# Altium PCB NNP-DWG-165-001-000 BP2 PCB, Unpopulated.PcbDoc (part 3 of 3)
Units mil, origin at the board's own origin, x right, y up, seen from the top; angles counter-clockwise.
Board outline 4165.82 x 2037.39 mil, 4 copper layers (Layer 1, Plated Cu, Layer 2, Cu, Layer 3, Cu, Layer 4, Plated Cu), stack 15.546 mil thick; 177 components, 109 nets, 543 pads, 287 vias.
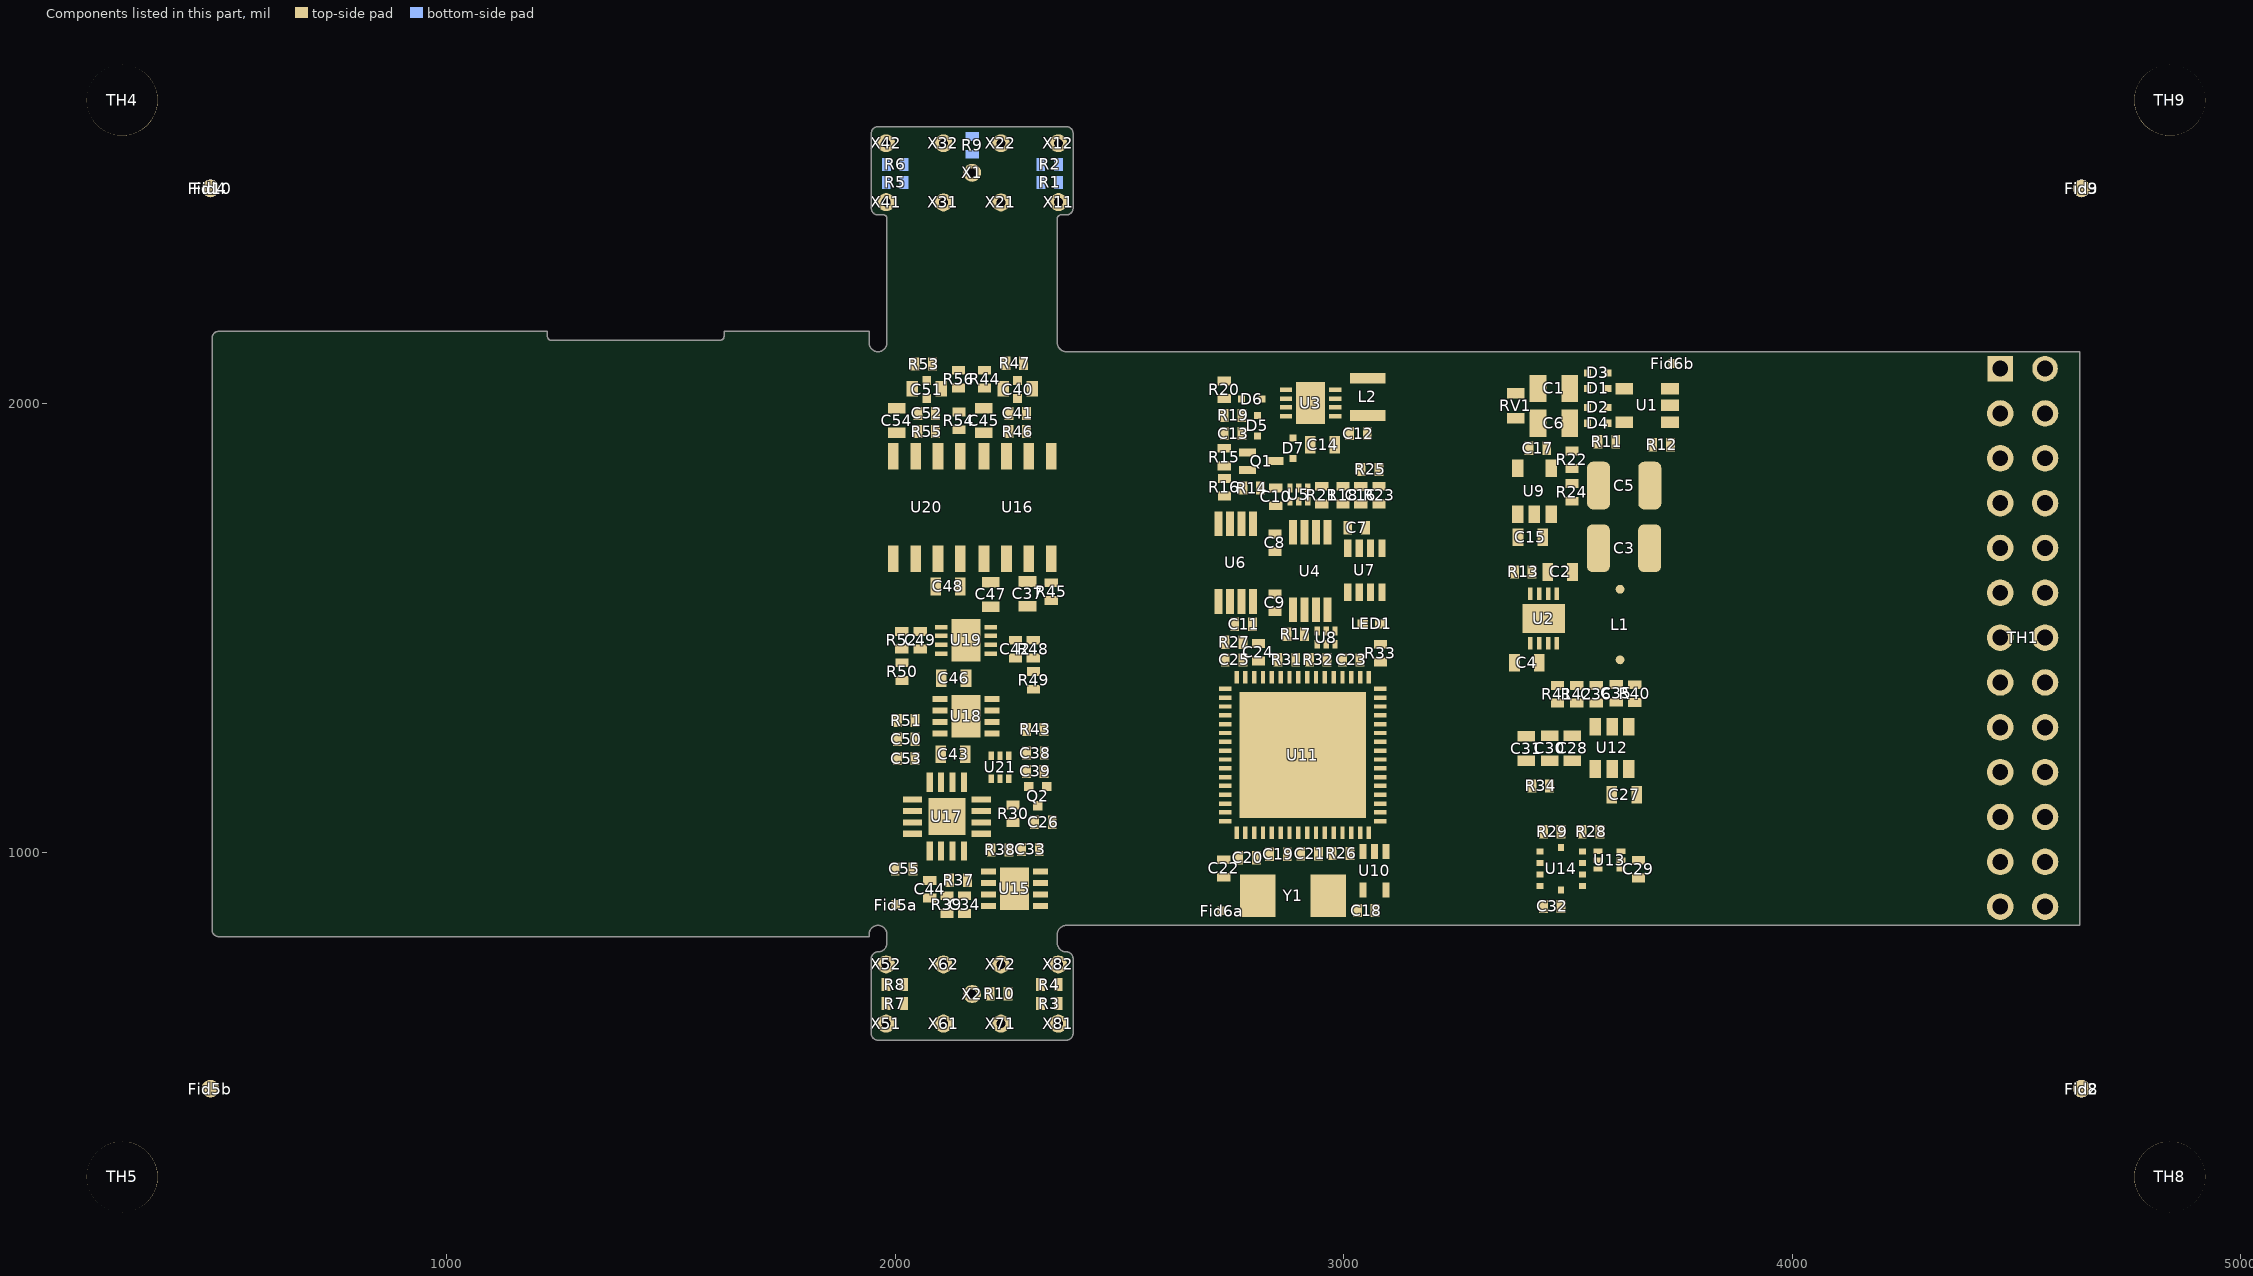
[diagram p5: the components of this part, seen from the top]

## Silkscreen, mask and mechanical layers (free items; w line width, h text height) (continued)
Frame:
  circle w0.98: c275.59,2677.17 r79
  circle w0.98: c275.59,275.59 r79
  circle w0.98: c4842.52,275.59 r79
  circle w0.98: c4842.52,2677.17 r79
  circle w0.98: c1979.32,749.71 r10
  circle w0.98: c2107.32,617.71 r10
  circle w0.98: c2235.32,749.71 r10
  circle w0.98: c2363.32,617.71 r10
  circle w0.98: c2363.32,749.71 r10
  circle w0.98: c2235.32,617.71 r10
  circle w0.98: c2107.32,749.71 r10
  circle w0.98: c1979.32,617.71 r10
  circle w0.98: c2171.32,683.71 r10
  circle w0.98: c2171.39,2515.11 r10
  circle w0.98: c1979.41,2449.1 r10
  circle w0.98: c1979.41,2581.1 r10
  circle w0.98: c2107.41,2581.1 r10
  circle w0.98: c2107.41,2449.1 r10
  circle w0.98: c2235.41,2449.1 r10
  circle w0.98: c2235.41,2581.1 r10
  circle w0.98: c2363.41,2581.1 r10
  circle w0.98: c2363.41,2449.1 r10
  lines w0.01: 1539.14,2240.36 1902.61,2240.36 1902.64,2363.2 ; 1941.32,2136.14 1941.32,2161.62
  lines w0.1: 0,2952.76 0,0 5118.11,0 ; 1964.7,836.61 1964.7,2116.14
  lines w0.98: 0,2952.76 5118.11,2952.76 5118.11,0 ; 397.41,994.1 476.15,994.1 476.15,826.61 ccw(c491.15,826.61) 491.15,811.61 1941.32,811.61 1941.32,816.61 cw(c1961.32,816.61) 1981.32,816.61 1981.32,797.56 cw(c1961.32,797.56) 1961.32,777.56 ; 397.41,1092.52 476.15,1092.52 476.15,1860.24 397.41,1860.24 ; 397.41,1958.66 476.15,1958.66 476.15,2146.62 cw(c491.15,2146.62) 491.15,2161.62 1224.18,2161.62 1224.18,2149.8 ccw(c1232.05,2149.8) 1232.05,2141.93 1610.01,2141.93 ccw(c1610.01,2149.8) 1617.88,2149.8 1617.88,2161.62 1941.32,2161.62 1941.32,2136.14 ccw(c1961.32,2136.14) 1981.32,2136.15 1981.39,2413.39 ccw(c1973.52,2413.39) 1974.01,2421.25 ; 1539.14,2240.36 1539.14,2220.67 1302.92,2220.67 1302.92,2240.36 491.15,2240.36 ccw(c491.15,2146.62) 397.41,2146.62 397.41,826.61 ccw(c491.15,826.61) 491.15,732.87 1867.58,732.87 1867.58,595.71 ccw(c1961.32,595.71) 1961.32,501.97 2381.32,501.97 ccw(c2381.32,595.71) 2475.06,595.71 2475.06,757.87 4720.71,757.87 4720.71,2194.88 2440.07,2194.88 2440.12,2363.15 ccw(c2381.45,2436.21) 2475.15,2436.21 2475.15,2603.1 ccw(c2381.41,2603.1) 2381.41,2696.84 1961.41,2696.84 ccw(c1961.41,2603.1) 1867.67,2603.1 1867.67,2436.21 ccw(c1961.37,2436.21) 1902.64,2363.2 ; 1946.32,2436.26 1946.32,2603.11 cw(c1961.32,2603.11) 1961.32,2618.11 2122.18,2618.11 2122.18,2696.84 ; 1964.7,836.61 2378.09,836.61 2378.09,2116.14 1964.7,2116.14 ; 2122.18,501.97 2122.18,580.71 ; 2220.61,501.97 2220.61,580.71 ; 2220.61,2696.84 2220.61,2618.11 2381.32,2618.11 cw(c2381.32,2603.11) 2383.96,2617.88 ; 2368.77,2421.25 ccw(c2369.26,2413.39) 2361.39,2413.39 2361.32,2136.15 ccw(c2381.32,2136.14) 2381.32,2116.14 2700.92,2116.14 ; 2701.04,836.74 2701.04,2116.02 2700.92,2116.14 ; 2858.4,757.87 2858.4,836.61 ; 2858.4,2116.14 2858.4,2194.88 ; 2956.83,757.87 2956.83,836.61 ; 2956.83,2116.14 2956.83,2194.88 ; 3508.01,757.87 3508.01,836.61 ; 3508.01,2116.14 3508.01,2194.88 ; 3606.43,757.87 3606.43,836.61 ; 3606.43,2116.14 3606.43,2194.88 ; 4641.96,994.1 4720.71,994.1 ; 4641.96,1092.52 4720.71,1092.52 ; 4641.96,1860.24 4720.71,1860.24 ; 4641.96,1958.66 4720.71,1958.66 ; 1961.32,777.56 ccw(c1961.32,762.56) 1946.32,762.56 1946.32,595.71 ccw(c1961.32,595.71) 1961.32,580.71 2381.32,580.71 ccw(c2381.32,595.71) 2396.32,595.71 2396.32,762.56 ccw(c2381.32,762.56) 2381.32,777.56 ; 1961.32,777.56 2381.32,777.56 ; 2381.32,777.56 cw(c2381.32,797.56) 2361.32,797.56 2361.32,816.61 cw(c2381.32,816.61) 2381.32,836.61 2700.92,836.61 3114.31,836.61 3350.53,836.61 3763.91,836.61 4360.36,836.61 ; 2700.92,2116.14 3114.31,2116.14 3350.53,2116.14 3763.91,2116.14 4360.36,2116.14 ; 4360.36,836.61 4641.96,836.61 4641.96,2116.14 4360.36,2116.14 ; 4360.36,836.61 4360.36,2116.14 ; 1946.41,2436.21 ccw(c1961.37,2436.21) 1961.37,2421.25 2381.45,2421.25 ccw(c2381.45,2436.21) 2396.41,2436.21 2396.41,2603.1 ccw(c2381.41,2603.1) 2381.41,2618.1 1961.41,2618.1 ccw(c1961.41,2603.1) 1946.41,2603.1 1946.41,2436.21
  lines w1: 3114.31,836.61 3114.31,2116.14 ; 3350.53,836.61 3350.53,2116.14 ; 3763.91,836.61 3763.91,2116.14
Component outline:
  circle w3: c4464.98,2076.97 r20
  circle w3: c4564.72,2076.47 r20
  circle w3: c4464.73,1879.22 r20
  circle w3: c4564.47,1878.73 r20
  circle w3: c4564.47,1978.18 r20
  circle w3: c4464.73,1978.68 r20
  circle w3: c4464.73,1678.5 r20
  circle w3: c4564.47,1678 r20
  circle w3: c4564.47,1777.45 r20
  circle w3: c4464.73,1777.95 r20
  circle w3: c4464.48,1479.26 r20
  circle w3: c4564.22,1478.76 r20
  circle w3: c4564.22,1578.22 r20
  circle w3: c4464.48,1578.71 r20
  circle w3: c4464.48,1279.03 r20
  circle w3: c4564.22,1278.53 r20
  circle w3: c4564.22,1377.99 r20
  circle w3: c4464.48,1378.48 r20
  circle w3: c4464.58,1178 r20
  circle w3: c4564.32,1177.5 r20
  circle w3: c4564.32,878.07 r20
  circle w3: c4464.08,878.07 r20
  circle w3: c4564.32,978.56 r20
  circle w3: c4464.58,978.56 r20
  circle w3: c4564.32,1078.05 r20
  circle w3: c4464.58,1078.55 r20
  circle w3: c2354.5,1898.91 r5.7
  circle w3: c2151.16,1899.64 r5.7
  circle w3: c3417.61,1001.51 r5.7
  circle w3: c3554.76,999.12 r5.7
  circle w3: c3556.27,1168.58 r5.7
  circle w3: c3493.45,1588.82 r5.7
  circle w3: c2721.89,1380.63 r5.7
  circle w3: c3375.9,1736.88 r5.7
  circle w3: c3743.27,1941.1 r5.7
  circle w3: c2880.28,1825.27 r5.7
  circle w3: c2857.96,2044.11 r5.7
  circle w3: c2980.18,1506.75 r5.7
  circle w3: c3100.31,1010.55 r5.7
  circle w3: c2806.55,1750.87 r5.7
  circle w3: c2877.46,1522.21 r5.7
  circle w3: c3001.85,1563.7 r5.7
  circle w3: c2196.28,965.41 r5.7
  circle w3: c2265.89,1242.4 r5.7
  circle w3: c2226.83,1252.52 r5.7
  circle w3: c2225.12,1416.42 r5.7
  lines w2: 3558.33,1624.68 3558.33,1730.84 3558.26,1730.91 3692.12,1730.91 ; 3558.32,1624.66 3558.33,1624.68 ; 3558.32,1624.66 3692.06,1624.66 3692.11,1624.61 3692.11,1726.42 3692.11,1730.9 ; 3692.11,1730.9 3692.12,1730.91 ; 3558.64,1758.87 3558.64,1858.21 3692.12,1858.21 3692.12,1752.21 3691.91,1752.01 3558.73,1752.01 3558.73,1758.78 3558.64,1758.87
  lines w4: 2200.24,1355.2 2208.81,1355.2 ; 2306.6,963.04 2315.17,963.04 ; 2208.81,1355.2 2104.41,1355.2 2104.41,1259.36 2208.81,1259.36 2208.81,1355.2 ; 2315.17,963.04 2315.17,867.2 2210.77,867.2 2210.77,963.04 2315.17,963.04 ; 2298.19,1119.96 2298.19,1140.53 2334.81,1140.53 2334.81,1119.89 2298.26,1119.89 2298.19,1119.96
  text "1" at 2148.09,1874.07 h17
  text "1" at 2351.71,1872.23 h17
Mechanical 6:
  lines w1.97: 2019.04,2483.77 1979.67,2483.77 1979.67,2503.46 2019.04,2503.46 ; 2019.36,2524.1 1979.99,2524.1 1979.99,2543.79 2019.36,2543.79 ; 2161.69,2595.84 2161.69,2556.47 2181.38,2556.47 2181.38,2595.84 ; 2363.69,2524.11 2324.32,2524.11 2324.32,2543.8 2363.69,2543.8 ; 2364.18,2483.78 2324.81,2483.78 2324.81,2503.47 2364.18,2503.47
Coverlay Bottom:
  rectangle: 2378.09,836.61 2700.92,2116.14
  rectangle: 3114.31,836.61 3350.77,2116.14
  rectangle: 3763.91,836.61 4360.36,2116.14
  rectangle: 2378.09,836.61 2700.92,2116.14
  rectangle: 3114.31,836.61 3350.77,2116.14
  rectangle: 3763.91,836.61 4360.36,2116.14
  region: 1971.58,2116.14 1964.7,2116.14 1970.85,2118.31 1976.75,2122.25 1979.71,2127.17 1981.67,2133.07 1981.67,2415.55 1979.71,2418.51 1976.75,2421.46 2366.52,2421.25 2363.56,2419.49 2361.6,2416.54 2361.35,2135.04 2362.58,2128.15 2366.52,2122.25 2373.41,2118.31 2380.05,2116.34 2380.59,2116.34
  region: 1966.91,777.76 2378.33,777.76 2366.52,783.66 2361.6,794.49 2361.6,820.12 2363.56,825.99 2366.52,830.91 2371.44,833.86 2377.3,835.83 1964.94,835.83 1971.83,833.86 1976.75,829.92 1979.71,825 1981.67,819.1 1981.67,792.52 1975.77,783.66
  region: 489.55,812.21 1941.32,812.21 1941.32,820.08 1943.29,825.99 1946.24,830.91 1952.15,834.84 1958.05,836.81 1964.7,836.61 1964.7,2116.14 1956.08,2117.32 1948.21,2120.28 1944.27,2125.2 1941.32,2132.09 1941.32,2161.62 1617.88,2161.62 1617.88,2149.8 1617.5,2146.85 1615.53,2143.9 1613.56,2142.91 1610.01,2141.93 1232.05,2141.93 1228.72,2142.91 1226.75,2143.9 1224.78,2146.85 1224.18,2149.8 1224.18,2161.62 489.55,2161.62 485.61,2160.63 480.69,2157.68 477.74,2153.74 476.75,2148.82 476.75,825 477.74,820.08 480.69,816.14 484.63,813.19
  region: 489.55,812.21 1941.32,812.21 1941.32,820.08 1943.29,825.99 1946.24,830.91 1952.15,834.84 1958.05,836.81 1964.7,836.61 1964.7,2116.14 1956.08,2117.32 1948.21,2120.28 1944.27,2125.2 1936.27,2143.87 1936.27,2161.62 1617.88,2161.62 1617.88,2149.8 1617.5,2146.85 1615.53,2143.9 1613.56,2142.91 1610.01,2141.93 1232.05,2141.93 1228.72,2142.91 1226.75,2143.9 1224.78,2146.85 1224.18,2149.8 1224.18,2161.62 489.55,2161.62 485.61,2160.63 480.69,2157.68 477.74,2153.74 476.75,2148.82 476.75,825 477.74,820.08 480.69,816.14 484.63,813.19
Coverlay Top:
  rectangle: 2378.09,836.61 2700.92,2116.14
  rectangle: 3114.31,836.61 3350.77,2116.14
  rectangle: 3763.91,836.61 4360.36,2116.14
  region: 1971.58,2116.14 1964.7,2116.14 1970.85,2118.31 1976.75,2122.25 1979.71,2127.17 1981.67,2133.07 1981.67,2415.55 1979.71,2418.51 1976.75,2421.46 2366.52,2421.25 2363.56,2419.49 2361.6,2416.54 2361.35,2135.04 2362.58,2128.15 2366.52,2122.25 2373.41,2118.31 2380.05,2116.34 2380.59,2116.34
  region: 1966.91,777.76 2378.33,777.76 2366.52,783.66 2361.6,794.49 2361.6,820.12 2363.56,825.99 2366.52,830.91 2371.44,833.86 2377.3,835.83 1964.94,835.83 1971.83,833.86 1976.75,829.92 1979.71,825 1981.67,819.1 1981.67,792.52 1975.77,783.66
  region: 489.55,812.21 1941.32,812.21 1941.32,820.08 1943.29,825.99 1946.24,830.91 1952.15,834.84 1958.05,836.81 1958.25,836.61 1964.7,836.61 1964.7,2116.14 1956.08,2117.32 1948.21,2120.28 1944.27,2125.2 1941.32,2132.09 1941.32,2161.62 1617.88,2161.62 1617.88,2149.8 1617.5,2146.85 1615.53,2143.9 1613.56,2142.91 1610.01,2141.93 1232.05,2141.93 1228.72,2142.91 1226.75,2143.9 1224.78,2146.85 1224.18,2149.8 1224.18,2161.62 489.55,2161.62 485.61,2160.63 480.69,2157.68 477.74,2153.74 476.75,2148.82 476.75,825 477.74,820.08 480.69,816.14 484.63,813.19
  lines w1.97: 1946.32,2436.21 1946.32,2603.11 cw(c1961.32,2603.11) 1961.32,2618.11 2381.32,2618.11 2381.41,2618.1 cw(c2381.41,2603.1) 2396.41,2603.1 2396.41,2436.21 cw(c2381.45,2436.21) 2381.45,2421.25 2368.77,2421.25 ccw(c2369.26,2413.39) 2361.39,2413.39 2361.39,2136.15 ; 1946.41,2436.21 ccw(c1961.37,2436.21) 1961.37,2421.25 1974.01,2421.25 cw(c1973.52,2413.39) 1981.39,2413.39 1981.32,2136.15 cw(c1961.32,2136.14) 1941.32,2136.14 1941.32,2161.62 1617.88,2161.62 1617.88,2149.8 cw(c1610.01,2149.8) 1610.01,2141.93 1232.05,2141.93 cw(c1232.05,2149.8) 1224.18,2149.8 1224.18,2161.62 491.15,2161.62 ccw(c491.15,2146.62) 476.15,2146.62 476.15,826.61 ccw(c491.15,826.61) 491.15,811.61 1941.32,811.61 1941.32,816.61 cw(c1961.32,816.61) 1981.32,816.61 1981.32,797.56 cw(c1961.32,797.56) 1961.32,777.56 ccw(c1961.32,762.56) 1946.32,762.56 1946.32,595.71 ccw(c1961.32,595.71) 1961.32,580.71 2381.32,580.71 ccw(c2381.32,595.71) 2396.32,595.71 2396.32,762.56 ccw(c2381.32,762.56) 2381.32,777.56 cw(c2381.32,797.56) 2361.32,797.56 2361.32,816.61 cw(c2381.32,816.61) 2381.32,836.61 4641.96,836.61 4641.96,2116.14 2381.32,2116.14 cw(c2381.32,2136.14) 2361.32,2136.15
Rigid Outline:
  lines w0.98: 1961.32,2618.11 2381.32,2618.11 ; 1961.41,2618.1 ccw(c1961.41,2603.1) 1946.41,2603.1 1946.41,2436.21 ccw(c1961.37,2436.21) 1961.37,2421.25 2381.45,2421.25 ccw(c2381.45,2436.21) 2396.41,2436.21 2396.41,2603.1 ccw(c2381.41,2603.1) 2381.41,2618.1 ; 1946.32,595.71 ccw(c1961.32,595.71) 1961.32,580.71 2381.32,580.71 ccw(c2381.32,595.71) 2396.32,595.71 2396.32,762.56 ccw(c2381.32,762.56) 2381.32,777.56 1961.32,777.56 ccw(c1961.32,762.56) 1946.32,762.56 1946.32,595.71 ; 1964.7,836.61 1964.7,2116.14 2378.09,2116.14 2378.09,836.61 1964.7,836.61 ; 2700.92,836.61 2700.92,2116.14 3114.31,2116.14 3114.31,836.61 2700.92,836.61 ; 3350.53,836.61 3763.91,836.61 3763.91,2116.14 3350.53,2116.14 3350.53,836.61 ; 4360.36,836.61 4641.96,836.61 4641.96,2116.14 4360.36,2116.14 4360.36,836.61
Rigid Flex board dimensions:
  drawing of 190 lines, arcs and shapes, not listed
  text "Flex Area" at 2052.31,2261.77 h90
  text "Flex Area" at 2500.74,1641.62 h90 r270
  text "Flex Area" at 3223.25,1641.62 h90 r270
  text "Flex Area" at 4006.57,1641.62 h90 r270
  text "Flex Area" at 1086,1461.62 h90
  text "Flex Area" at 2030.07,785.98 h85
  text "Dimensions in Millimeters, For reference only." at 800.89,176.19 h90
Serial number placement:
  circle w0.39: c2363.41,2449.1 r10
  circle w0.39: c2363.41,2581.1 r10
  circle w0.39: c2235.41,2581.1 r10
  circle w0.39: c2235.41,2449.1 r10
  circle w0.39: c2107.41,2449.1 r10
  circle w0.39: c2107.41,2581.1 r10
  circle w0.39: c1979.41,2581.1 r10
  circle w0.39: c1979.41,2449.1 r10
  circle w0.39: c2171.39,2515.11 r10
  circle w0.39: c2171.32,683.71 r10
  circle w0.39: c1979.32,617.71 r10
  circle w0.39: c2107.32,749.71 r10
  circle w0.39: c2235.32,617.71 r10
  circle w0.39: c2363.32,749.71 r10
  circle w0.39: c2363.32,617.71 r10
  circle w0.39: c2235.32,749.71 r10
  circle w0.39: c2107.32,617.71 r10
  circle w0.39: c1979.32,749.71 r10
  lines w0: 476.15,826.61 476.15,2146.62
  lines w0.39: 476.15,826.61 ccw(c491.15,826.61) 491.15,811.61 1941.32,811.61 1941.32,816.61 cw(c1961.32,816.61) 1981.32,816.61 1981.32,797.56 cw(c1961.32,797.56) 1961.32,777.56 ; 476.15,2146.62 cw(c491.15,2146.62) 491.15,2161.62 1224.18,2161.62 1224.18,2149.8 ccw(c1232.05,2149.8) 1232.05,2141.93 1610.01,2141.93 ccw(c1610.01,2149.8) 1617.88,2149.8 1617.88,2161.62 1941.32,2161.62 1941.32,2136.14 ccw(c1961.32,2136.14) 1981.32,2136.15 1981.39,2413.39 ccw(c1973.52,2413.39) 1974.01,2421.25 ; 1961.32,777.56 ccw(c1961.32,762.56) 1946.32,762.56 1946.32,595.71 ccw(c1961.32,595.71) 1961.32,580.71 2381.32,580.71 ccw(c2381.32,595.71) 2396.32,595.71 2396.32,762.56 ccw(c2381.32,762.56) 2381.32,777.56 ; 1961.32,777.56 2381.32,777.56 ; 1974.01,2421.25 2368.77,2421.25 ; 1974.01,2421.25 1961.37,2421.25 cw(c1961.37,2436.21) 1946.41,2436.21 1946.41,2603.1 cw(c1961.41,2603.1) 1961.41,2618.1 2381.41,2618.1 cw(c2381.41,2603.1) 2396.41,2603.1 2396.41,2436.21 cw(c2381.45,2436.21) 2381.45,2421.25 2368.77,2421.25 ; 2368.77,2421.25 ccw(c2369.26,2413.39) 2361.39,2413.39 2361.32,2136.15 ccw(c2381.32,2136.14) 2381.32,2116.14 2700.92,2116.14 3114.31,2116.14 3350.53,2116.14 3763.91,2116.14 4360.36,2116.14 4641.96,2116.14 4641.96,836.61 4360.36,836.61 3763.91,836.61 3350.53,836.61 3114.31,836.61 2700.92,836.61 2381.32,836.61 ccw(c2381.32,816.61) 2361.32,816.61 2361.32,797.56 ccw(c2381.32,797.56) 2381.32,777.56
  lines w0.98: 1961.32,2618.11 2381.32,2618.11 ; 1961.41,2618.1 ccw(c1961.41,2603.1) 1946.41,2603.1 1946.41,2436.21 ccw(c1961.37,2436.21) 1961.37,2421.25 2381.45,2421.25 ccw(c2381.45,2436.21) 2396.41,2436.21 2396.41,2603.1 ccw(c2381.41,2603.1) 2381.41,2618.1 ; 1946.32,595.71 ccw(c1961.32,595.71) 1961.32,580.71 2381.32,580.71 ccw(c2381.32,595.71) 2396.32,595.71 2396.32,762.56 ccw(c2381.32,762.56) 2381.32,777.56 1961.32,777.56 ccw(c1961.32,762.56) 1946.32,762.56 1946.32,595.71 ; 1964.7,836.61 2378.09,836.61 2378.09,2116.14 1964.7,2116.14 1964.7,836.61 ; 2700.92,836.61 3114.31,836.61 3114.31,2116.14 2700.92,2116.14 2700.92,836.61 ; 3350.53,836.61 3350.53,2116.14 3763.91,2116.14 3763.91,836.61 3350.53,836.61 ; 4360.36,836.61 4360.36,2116.14 4641.96,2116.14 4641.96,836.61 4360.36,836.61
  lines w1.97: 1979.67,2483.77 1979.67,2503.46 2019.04,2503.46 2019.04,2483.77 1979.67,2483.77 ; 1979.99,2524.1 1979.99,2543.79 2019.36,2543.79 2019.36,2524.1 1979.99,2524.1 ; 2161.69,2556.47 2181.38,2556.47 2181.38,2595.84 2161.69,2595.84 2161.69,2556.47 ; 2324.32,2524.11 2324.32,2543.8 2363.69,2543.8 2363.69,2524.11 2324.32,2524.11 ; 2324.81,2483.78 2324.81,2503.47 2364.18,2503.47 2364.18,2483.78 2324.81,2483.78
  lines w10: 2023.68,920.79 2174.35,920.79 2174.35,1670.45 2023.68,1670.45 2023.68,920.79
  text "R9" at 2208.58,2561.9 h12
  text "R2" at 2317.71,2528.53 h12
  text "R6" at 2047.07,2526.53 h12
  text "R5" at 2045.4,2487.15 h12
  text "R1" at 2318.71,2486.81 h12
  text "SN XXXX" at 2133.24,1416.65 h111 r90
  text "Arial, Font Size 8. / Sticker Size approx. 0.15\" x 0.75\" / Starting at 1000." at 1920.84,1150.38 h90
  text "SerialNumber Sticker Placement" at 1824.89,645.23 h90
Mechanical 13:
  circle w3: c4464.58,1078.55 r20
  circle w3: c4564.32,1078.05 r20
  circle w3: c4464.58,978.56 r20
  circle w3: c4564.32,978.56 r20
  circle w3: c4464.08,878.07 r20
  circle w3: c4564.32,878.07 r20
  circle w3: c4564.32,1177.5 r20
  circle w3: c4464.58,1178 r20
  circle w3: c4464.48,1378.48 r20
  circle w3: c4564.22,1377.99 r20
  circle w3: c4564.22,1278.53 r20
  circle w3: c4464.48,1279.03 r20
  circle w3: c4464.48,1578.71 r20
  circle w3: c4564.22,1578.22 r20
  circle w3: c4564.22,1478.76 r20
  circle w3: c4464.48,1479.26 r20
  circle w3: c4464.73,1777.95 r20
  circle w3: c4564.47,1777.45 r20
  circle w3: c4564.47,1678 r20
  circle w3: c4464.73,1678.5 r20
  circle w3: c4464.73,1978.68 r20
  circle w3: c4564.47,1978.18 r20
  circle w3: c4564.47,1878.73 r20
  circle w3: c4464.73,1879.22 r20
  circle w3: c4564.72,2076.47 r20
  circle w3: c4464.98,2076.97 r20
Fab:
  text "1. Board Technology" at 5568.64,3633.82 h60
  text "A. Fabricate in accordance with the current revision of IPC-6013, Type 4, Class 3." at 5568.64,3563.82 h60
  text "B. Maximum overall rigid thickness shall not exceed 450um. This is measured over" at 5568.64,3493.82 h60
  text "finished plated surfaces. The maximum overall flexible thickness shall not exceed 120.0um" at 5568.64,3423.82 h60
  text "C. Finished hole size unless noted should be +/- 3 mil (0.076mm)" at 5568.64,3353.82 h60
  text "D. All materials must be compliant with the European Union RoHS 2 directive, 2011/65/EU" at 5568.64,3283.82 h60
  text "E. Finish shall be ENIG" at 5568.64,3213.82 h60
  text "1.  Electroless nickel thickness: per current version of IPC-4552" at 5568.64,3143.82 h60
  text "2  Immersion Gold thickness: per current version of IPC-4552" at 5568.64,3073.82 h60
  text "F. Soldermask shall be Blue on both sides in accordance with the current version of" at 5568.64,3003.82 h60
  text "IPC-SM-840 Class H." at 5568.64,2933.82 h60
  text "G. Silkscreen:" at 5568.64,2863.82 h60
  text "Primary Side - No silkscreen" at 5568.64,2793.82 h60
  text "Secondary Side - Manufacture ID and date code (Font size 0.070” max)" at 5568.64,2723.82 h60
  text "H. Supplier must notify and receive approval from Synapse Biomedical Inc. before making any" at 5568.64,2653.82 h60
  text "modifications to the design process or any changes to the materials used during" at 5568.64,2583.82 h60
  text "the manufacturing of this assembly." at 5568.64,2513.82 h60
  text "2.  Certificate of Conformity:" at 5568.64,2373.82 h60
  text "A. Complete description of the item with revision" at 5568.64,2303.82 h60
  text "B. Number of lot and Date Code" at 5568.64,2233.82 h60
  text "C. Delivered quantity" at 5568.64,2163.82 h60
  text "D. RoHS compliance" at 5568.64,2093.82 h60
  text "E. Remark/Exception as concession note" at 5568.64,2023.82 h60
  text "F. Name of the responsible with signature and date" at 5568.64,1953.82 h60
  text "3.  Inspection Report:" at 5568.64,1813.82 h60
  text "A. Type of used base material and metallizations processes" at 5568.64,1743.82 h60
  text "1. Brand, reference and lot number of used base material" at 5568.64,1673.82 h60
  text "2. Used metallization and processes (chemical/galvanic) on Cu, Ni and Au" at 5568.64,1603.82 h60
  text "B. Visual checks and results:" at 5568.64,1533.82 h60
  text "1. Aspect (contamination, color, asperities, residues, mark, scraping, repair, etc.)" at 5568.64,1463.82 h60
  text "2. Open, short-circuit, etching non-conformities" at 5568.64,1393.82 h60
  text "3. Metallization adherence according to the current version of IPC-TM-650 -- Method 2.4.1" at 5568.64,1323.82 h60
  text "4. Solder mask adherence according to the current version of  IPC-TM-650 -- Method 2.4.28.1" at 5568.64,1253.82 h60
  text "C. Dimensional checks and results:" at 5568.64,1183.82 h60
  text "1. Length and width of Strip" at 5568.64,1113.82 h60
  text "2. Length, width and total thickness of circuit" at 5568.64,1043.82 h60
  text "3. Diameter of index holes." at 5568.64,973.82 h60
  text "4. The thickness of nickel and gold metallizations shall be measured" at 5568.64,903.82 h60
  text "in accordance with the current version of IPC-4552 and a report of the measurements" at 5568.64,833.82 h60
  text "shall be provided.." at 5568.64,763.82 h60
  text "D. Electrical Test:" at 5568.64,623.82 h60
  text "1.  Continuity and shorts 100% tested." at 5568.64,553.82 h60
  text "4. Micro section report:" at 5568.64,413.82 h60
  text "A. Configuration of stack-up with measurements of different thicknesses" at 5568.64,343.82 h60
  text "B. Thickness of Copper metallization." at 5568.64,273.82 h60
  text "5. Solderability test report:" at 5568.64,133.82 h60
  text "A. Result of the solderability test according to ANSI/J-STD-003 -- Category 2 Test A -Hand Dipped" at 5568.64,63.82 h60
Mechanical 15:
  lines w0.39: 1964.7,836.61 1964.7,2116.14 2378.09,2116.14 2378.09,836.61 1964.7,836.61
  lines w0.98: 1961.27,777.58 2381.27,777.58 ; 1961.32,2618.11 2381.32,2618.11 ; 1961.36,777.56 ccw(c1961.36,762.56) 1946.36,762.56 1946.36,595.67 ccw(c1961.32,595.67) 1961.32,580.71 2381.4,580.71 ccw(c2381.4,595.67) 2396.36,595.67 2396.36,762.56 ccw(c2381.36,762.56) 2381.36,777.56 ; 1961.41,2618.1 ccw(c1961.41,2603.1) 1946.41,2603.1 1946.41,2436.21 ccw(c1961.37,2436.21) 1961.37,2421.25 2381.45,2421.25 ccw(c2381.45,2436.21) 2396.41,2436.21 2396.41,2603.1 ccw(c2381.41,2603.1) 2381.41,2618.1
Outline:
  circle w0.98: c2363.41,2449.1 r10
  circle w0.98: c2363.41,2581.1 r10
  circle w0.98: c2235.41,2581.1 r10
  circle w0.98: c2235.41,2449.1 r10
  circle w0.98: c2107.41,2449.1 r10
  circle w0.98: c2107.41,2581.1 r10
  circle w0.98: c1979.41,2581.1 r10
  circle w0.98: c1979.41,2449.1 r10
  circle w0.98: c2171.39,2515.11 r10
  circle w0.98: c2171.32,683.71 r10
  circle w0.98: c1979.32,617.71 r10
  circle w0.98: c2107.32,749.71 r10
  circle w0.98: c2235.32,617.71 r10
  circle w0.98: c2363.32,749.71 r10
  circle w0.98: c2363.32,617.71 r10
  circle w0.98: c2235.32,749.71 r10
  circle w0.98: c2107.32,617.71 r10
  circle w0.98: c1979.32,749.71 r10
  lines w0.98: 1961.32,2618.11 2381.32,2618.11 cw(c2381.32,2603.11) 2383.96,2617.88 ; 1961.41,2618.1 ccw(c1961.41,2603.1) 1946.41,2603.1 1946.41,2436.21 ccw(c1961.37,2436.21) 1961.37,2421.25 ; 2381.41,2618.1 cw(c2381.41,2603.1) 2396.41,2603.1 2396.41,2436.21 cw(c2381.45,2436.21) 2381.45,2421.25 ; 1961.32,777.56 ccw(c1961.32,797.56) 1981.32,797.56 1981.32,816.61 ccw(c1961.32,816.61) 1941.32,816.61 1941.32,811.61 491.15,811.61 cw(c491.15,826.61) 476.15,826.61 476.15,2146.62 cw(c491.15,2146.62) 491.15,2161.62 1224.18,2161.62 1224.18,2149.8 ccw(c1232.05,2149.8) 1232.05,2141.93 1610.01,2141.93 ccw(c1610.01,2149.8) 1617.88,2149.8 1617.88,2161.62 1941.32,2161.62 1941.32,2136.14 ccw(c1961.32,2136.14) 1981.32,2136.15 1981.39,2413.39 ccw(c1973.52,2413.39) 1974.01,2421.25 1961.37,2421.25 ; 1961.32,777.56 ccw(c1961.32,762.56) 1946.32,762.56 1946.32,595.71 ccw(c1961.32,595.71) 1961.32,580.71 2381.32,580.71 ccw(c2381.32,595.71) 2396.32,595.71 2396.32,762.56 ccw(c2381.32,762.56) 2381.32,777.56 ; 1961.32,777.56 2381.32,777.56 ; 1961.37,2421.25 2381.45,2421.25 ; 2381.32,777.56 cw(c2381.32,797.56) 2361.32,797.56 2361.32,816.61 cw(c2381.32,816.61) 2381.32,836.61 2700.92,836.61 ; 2381.45,2421.25 2368.77,2421.25 ccw(c2369.26,2413.39) 2361.39,2413.39 2361.32,2136.15 ccw(c2381.32,2136.14) 2381.32,2116.14 2700.92,2116.14 ; 2700.92,836.61 2700.92,2116.14 ; 2700.92,836.61 3114.31,836.61 ; 2700.92,2116.14 3114.31,2116.14 ; 3114.31,836.61 3350.53,836.61 ; 3114.31,836.61 3114.31,2116.14 ; 3114.31,2116.14 3350.53,2116.14 ; 3350.53,836.61 3350.53,2116.14 ; 3350.53,836.61 3763.91,836.61 ; 3350.53,2116.14 3763.91,2116.14 ; 3763.91,836.61 4360.36,836.61 ; 3763.91,836.61 3763.91,2116.14 ; 3763.91,2116.14 4360.36,2116.14 ; 4360.36,836.61 4360.36,2116.14 ; 4360.36,836.61 4641.96,836.61 4641.96,2116.14 4360.36,2116.14 ; 1964.7,836.61 1964.7,2116.14 2378.09,2116.14 2378.09,836.61 1964.7,836.61
  text "Flex Area" at 2029.22,2267.28 h49.21
  text "Flex Area" at 3215.82,1635.57 h49.21 r270
  text "Flex Area" at 2517.97,1635.33 h49.21 r270
  text "Flex Area" at 4033.14,1634.97 h49.21 r270
  text "Flex Area" at 1086,1486.42 h49.21
  text "Flex Area" at 2030.99,783.93 h49.21
Drill Drawing:
  circle w10: c81.96,4832.85 r33.33
  lines w0.39: 476.15,826.61 ccw(c491.15,826.61) 491.15,811.61 1941.32,811.61 1941.32,816.61 cw(c1961.32,816.61) 1981.32,816.61 1981.32,797.56 cw(c1961.32,797.56) 1961.32,777.56 ccw(c1961.32,762.56) 1946.32,762.56 1946.32,595.71 ccw(c1961.32,595.71) 1961.32,580.71 2381.32,580.71 ccw(c2381.32,595.71) 2396.32,595.71 2396.32,762.56 ccw(c2381.32,762.56) 2381.32,777.56 cw(c2381.32,797.56) 2361.32,797.56 2361.32,816.61 cw(c2381.32,816.61) 2381.32,836.61 2700.92,836.61 3114.31,836.61 3350.53,836.61 3763.91,836.61 4360.36,836.61 4641.96,836.61 4641.96,2116.14 4360.36,2116.14 3763.91,2116.14 3350.53,2116.14 3114.31,2116.14 2700.92,2116.14 2381.32,2116.14 cw(c2381.32,2136.14) 2361.32,2136.15 2361.39,2413.39 cw(c2369.26,2413.39) 2368.77,2421.25 2381.45,2421.25 ccw(c2381.45,2436.21) 2396.41,2436.21 2396.41,2603.1 ccw(c2381.41,2603.1) 2381.41,2618.1 1961.41,2618.1 ccw(c1961.41,2603.1) 1946.41,2603.1 1946.41,2436.21 ccw(c1961.37,2436.21) 1961.37,2421.25 1974.01,2421.25 cw(c1973.52,2413.39) 1981.39,2413.39 1981.32,2136.15 cw(c1961.32,2136.14) 1941.32,2136.14 1941.32,2161.62 1617.88,2161.62 1617.88,2149.8 cw(c1610.01,2149.8) 1610.01,2141.93 1232.05,2141.93 cw(c1232.05,2149.8) 1224.18,2149.8 1224.18,2161.62 491.15,2161.62 ccw(c491.15,2146.62) 476.15,2146.62 476.15,826.61
  lines w10: 37.2,3277.21 53.87,3277.21 70.54,3260.54 87.2,3277.21 103.87,3277.21 87.2,3293.87 103.87,3310.54 87.2,3310.54 70.54,3327.21 53.87,3310.54 37.2,3310.54 53.87,3293.87 37.2,3277.21 ; 48.63,4516.18 65.29,4516.18 65.29,4499.52 98.63,4499.52 98.63,4516.18 115.29,4516.18 115.29,4549.52 98.63,4549.52 98.63,4566.18 65.29,4566.18 65.29,4549.52 48.63,4549.52 48.63,4516.18 ; 48.63,4649.52 115.29,4649.52 115.29,4716.18 48.63,4716.18 48.63,4649.52 ; 48.63,5016.18 115.29,5016.18 81.96,4949.52 48.63,5016.18 ; 61.34,3796.63 94.68,3813.29 128.01,3796.63 111.34,3829.96 128.01,3863.29 94.68,3846.63 61.34,3863.29 78.01,3829.96 61.34,3796.63 ; 61.34,3946.63 61.34,3963.29 78.01,3979.96 61.34,3996.63 61.34,4013.29 78.01,4013.29 94.68,3996.63 111.34,4013.29 128.01,4013.29 128.01,3996.63 111.34,3979.96 128.01,3963.29 128.01,3946.63 111.34,3946.63 94.68,3963.29 78.01,3946.63 61.34,3946.63
  lines w15: -22.59,3215.54 4982.05,3215.54 ; -22.59,3365.54 4982.05,3365.54 ; -11.16,4454.52 5933.17,4454.52 ; -11.16,5054.52 5933.17,5054.52 ; 1.55,3751.63 5426.05,3751.63 ; 1.55,4051.63 5426.05,4051.63 ; 528.29,3065.54 528.29,3515.54 ; 539.71,4304.52 539.71,5204.52 ; 552.43,3601.63 552.43,4201.63 ; 1068.15,3065.54 1068.15,3515.54 ; 1129.56,4304.52 1129.56,5204.52 ; 1142.27,3601.63 1142.27,4201.63 ; 2107.85,3065.54 2107.85,3515.54 ; 2161.98,3601.63 2161.98,4201.63 ; 2269.22,4304.52 2269.22,5204.52 ; 2613.72,3065.54 2613.72,3515.54 ; 2667.85,3601.63 2667.85,4201.63 ; 2775.1,4304.52 2775.1,5204.52 ; 3347.53,3065.54 3347.53,3515.54 ; 3401.65,3601.63 3401.65,4201.63 ; 3508.9,4304.52 3508.9,5204.52 ; -22.59,3065.54 4982.05,3065.54 4982.05,3515.54 -22.59,3515.54 -22.59,3065.54 ; -11.16,4304.52 5933.17,4304.52 5933.17,5204.52 -11.16,5204.52 -11.16,4304.52 ; 1.55,3601.63 5426.05,3601.63 5426.05,4201.63 1.55,4201.63 1.55,3601.63
  text "52-2003_05" at 62.17,5313.06 h108.27
  text "Symbol" at 78.84,5099.52 h72
  text "Count" at 584.71,5099.52 h72
  text "Hole Size" at 1174.56,5099.52 h72
  text "Plated" at 2314.22,5099.52 h72
  text "Hole Type" at 2820.1,5099.52 h72
  text "Drill Layer Pair" at 3553.9,5099.52 h72
  text "117" at 584.71,4949.52 h60
  text "0.200mm (7.87mil)" at 1174.56,4949.52 h60
  text "PTH" at 2314.22,4949.52 h60
  text "Round" at 2820.1,4949.52 h60
  text "Layer 1, Plated Cu - Layer 4, Plated Cu" at 3553.9,4949.52 h60
  text "18" at 584.71,4799.52 h60
  text "0.508mm (20.00mil)" at 1174.56,4799.52 h60
  text "PTH" at 2314.22,4799.52 h60
  text "Round" at 2820.1,4799.52 h60
  text "Layer 1, Plated Cu - Layer 4, Plated Cu" at 3553.9,4799.52 h60
  text "26" at 584.71,4649.52 h60
  text "0.900mm (35.43mil)" at 1174.56,4649.52 h60
  text "PTH" at 2314.22,4649.52 h60
  text "Round" at 2820.1,4649.52 h60
  text "Layer 1, Plated Cu - Layer 4, Plated Cu" at 3553.9,4649.52 h60
  text "4" at 584.71,4499.52 h60
  text "4.013mm (157.99mil)" at 1174.56,4499.52 h60
  text "NPTH" at 2314.22,4499.52 h60
  text "Round" at 2820.1,4499.52 h60
  text "Layer 1, Plated Cu - Layer 4, Plated Cu" at 3553.9,4499.52 h60
  text "165 Total" at 584.71,4349.52 h60
  text "Symbol" at 91.55,4096.63 h72
  text "Count" at 597.43,4096.63 h72
  text "Hole Size" at 1187.27,4096.63 h72
  text "Plated" at 2206.98,4096.63 h72
  text "Hole Type" at 2712.85,4096.63 h72
  text "Drill Layer Pair" at 3446.65,4096.63 h72
  text "15" at 597.43,3946.63 h60
  text "0.150mm (5.91mil)" at 1187.27,3946.63 h60
  text "PTH" at 2206.98,3946.63 h60
  text "Round" at 2712.85,3946.63 h60
  text "Layer 1, Plated Cu - Layer 2, Cu" at 3446.65,3946.63 h60
  text "121" at 597.43,3796.63 h60
  text "0.150mm (5.91mil)" at 1187.27,3796.63 h60
  text "PTH" at 2206.98,3796.63 h60
  text "Round" at 2712.85,3796.63 h60
  text "Layer 1, Plated Cu - Layer 2, Cu" at 3446.65,3796.63 h60
  text "136 Total" at 597.43,3646.63 h60
  text "Symbol" at 67.41,3410.54 h72
  text "Count" at 573.29,3410.54 h72
  text "Hole Size" at 1113.15,3410.54 h72
  text "Plated" at 2152.85,3410.54 h72
  text "Hole Type" at 2658.72,3410.54 h72
  text "Drill Layer Pair" at 3392.53,3410.54 h72
  text "34" at 573.29,3260.54 h60
  text "7.87mil (0.200mm)" at 1113.15,3260.54 h60
  text "PTH" at 2152.85,3260.54 h60
  text "Round" at 2658.72,3260.54 h60
  text "Layer 2, Cu - Layer 3, Cu" at 3392.53,3260.54 h60
  text "34 Total" at 573.29,3110.54 h60
Frame Dimensions:
  circle w0.98: c2363.41,2449.1 r10
  circle w0.98: c2363.41,2581.1 r10
  circle w0.98: c2235.41,2581.1 r10
  circle w0.98: c2235.41,2449.1 r10
  circle w0.98: c2107.41,2449.1 r10
  circle w0.98: c2107.41,2581.1 r10
  circle w0.98: c1979.41,2581.1 r10
  circle w0.98: c1979.41,2449.1 r10
  circle w0.98: c2171.39,2515.11 r10
  circle w0.98: c2171.32,683.71 r10
  circle w0.98: c1979.32,617.71 r10
  circle w0.98: c2107.32,749.71 r10
  circle w0.98: c2235.32,617.71 r10
  circle w0.98: c2363.32,749.71 r10
  circle w0.98: c2363.32,617.71 r10
  circle w0.98: c2235.32,749.71 r10
  circle w0.98: c2107.32,617.71 r10
  circle w0.98: c1979.32,749.71 r10
  circle w0.98: c275.59,2677.17 r79
  circle w0.98: c275.59,275.59 r79
  circle w0.98: c4842.52,275.59 r79
  circle w0.98: c4842.52,2677.17 r79
  lines w0.01: 1539.14,2240.36 1902.61,2240.36 1902.64,2363.2 ; 1941.32,2136.14 1941.32,2161.62
  lines w0.1: 0,2952.76 0,0 5118.11,0 ; 1964.7,836.61 1964.7,2116.14
  lines w0.98: 0,2952.76 5118.11,2952.76 5118.11,0 ; 397.41,994.1 476.15,994.1 476.15,826.61 ccw(c491.15,826.61) 491.15,811.61 1941.32,811.61 1941.32,816.61 cw(c1961.32,816.61) 1981.32,816.61 1981.32,797.56 cw(c1961.32,797.56) 1961.32,777.56 ; 397.41,1092.52 476.15,1092.52 476.15,1860.24 397.41,1860.24 ; 397.41,1958.66 476.15,1958.66 476.15,2146.62 cw(c491.15,2146.62) 491.15,2161.62 1224.18,2161.62 1224.18,2149.8 ccw(c1232.05,2149.8) 1232.05,2141.93 1610.01,2141.93 ccw(c1610.01,2149.8) 1617.88,2149.8 1617.88,2161.62 1941.32,2161.62 1941.32,2136.14 ccw(c1961.32,2136.14) 1981.32,2136.15 1981.39,2413.39 ccw(c1973.52,2413.39) 1974.01,2421.25 ; 1539.14,2240.36 1539.14,2220.67 1302.92,2220.67 1302.92,2240.36 491.15,2240.36 ccw(c491.15,2146.62) 397.41,2146.62 397.41,826.61 ccw(c491.15,826.61) 491.15,732.87 1867.58,732.87 1867.58,595.71 ccw(c1961.32,595.71) 1961.32,501.97 2381.32,501.97 ccw(c2381.32,595.71) 2475.06,595.71 2475.06,757.87 4720.71,757.87 4720.71,2194.88 2440.07,2194.88 2440.12,2363.15 ccw(c2381.45,2436.21) 2475.15,2436.21 2475.15,2603.1 ccw(c2381.41,2603.1) 2381.41,2696.84 1961.41,2696.84 ccw(c1961.41,2603.1) 1867.67,2603.1 1867.67,2436.21 ccw(c1961.37,2436.21) 1902.64,2363.2 ; 1946.32,2436.26 1946.32,2603.11 cw(c1961.32,2603.11) 1961.32,2618.11 2122.18,2618.11 2122.18,2696.84 ; 1964.7,836.61 2378.09,836.61 2378.09,2116.14 1964.7,2116.14 ; 2122.18,501.97 2122.18,580.71 ; 2220.61,501.97 2220.61,580.71 ; 2220.61,2696.84 2220.61,2618.11 2381.32,2618.11 cw(c2381.32,2603.11) 2383.96,2617.88 ; 2368.77,2421.25 ccw(c2369.26,2413.39) 2361.39,2413.39 2361.32,2136.15 ccw(c2381.32,2136.14) 2381.32,2116.14 2700.92,2116.14 ; 2701.04,836.74 2701.04,2116.02 2700.92,2116.14 ; 2858.4,757.87 2858.4,836.61 ; 2858.4,2116.14 2858.4,2194.88 ; 2956.83,757.87 2956.83,836.61 ; 2956.83,2116.14 2956.83,2194.88 ; 3508.01,757.87 3508.01,836.61 ; 3508.01,2116.14 3508.01,2194.88 ; 3606.43,757.87 3606.43,836.61 ; 3606.43,2116.14 3606.43,2194.88 ; 4641.96,994.1 4720.71,994.1 ; 4641.96,1092.52 4720.71,1092.52 ; 4641.96,1860.24 4720.71,1860.24 ; 4641.96,1958.66 4720.71,1958.66 ; 1961.32,777.56 ccw(c1961.32,762.56) 1946.32,762.56 1946.32,595.71 ccw(c1961.32,595.71) 1961.32,580.71 2381.32,580.71 ccw(c2381.32,595.71) 2396.32,595.71 2396.32,762.56 ccw(c2381.32,762.56) 2381.32,777.56 ; 1961.32,777.56 2381.32,777.56 ; 2381.32,777.56 cw(c2381.32,797.56) 2361.32,797.56 2361.32,816.61 cw(c2381.32,816.61) 2381.32,836.61 2700.92,836.61 3114.31,836.61 3350.53,836.61 3763.91,836.61 4360.36,836.61 ; 2700.92,2116.14 3114.31,2116.14 3350.53,2116.14 3763.91,2116.14 4360.36,2116.14 ; 4360.36,836.61 4360.36,2116.14 ; 4360.36,836.61 4641.96,836.61 4641.96,2116.14 4360.36,2116.14 ; 1946.41,2436.21 ccw(c1961.37,2436.21) 1961.37,2421.25 2381.45,2421.25 ccw(c2381.45,2436.21) 2396.41,2436.21 2396.41,2603.1 ccw(c2381.41,2603.1) 2381.41,2618.1 1961.41,2618.1 ccw(c1961.41,2603.1) 1946.41,2603.1 1946.41,2436.21
  lines w1: 3114.31,836.61 3114.31,2116.14 ; 3350.53,836.61 3350.53,2116.14 ; 3763.91,836.61 3763.91,2116.14
  text "Flex Area" at 2034.31,2245.62 h90
  text "Flex Area" at 1279.99,1386.62 h90 r90
  text "Flex Area" at 2539.39,1386.62 h90 r90
  text "Flex Area" at 3253.68,1386.62 h90 r90
  text "Flex Area" at 4080.74,1386.62 h90 r90
  text "Flex Area" at 2061.44,791.62 h70
  text "Dimensions in Millimeters, For reference only." at 3161.52,-150.17 h125
Flex board_outline:
  circle w0.39: c1979.32,749.71 r10
  circle w0.39: c2107.32,617.71 r10
  circle w0.39: c2235.32,749.71 r10
  circle w0.39: c2363.32,617.71 r10
  circle w0.39: c2363.32,749.71 r10
  circle w0.39: c2235.32,617.71 r10
  circle w0.39: c2107.32,749.71 r10
  circle w0.39: c1979.32,617.71 r10
  circle w0.39: c2171.32,683.71 r10
  circle w0.39: c2171.39,2515.11 r10
  circle w0.39: c1979.41,2449.1 r10
  circle w0.39: c1979.41,2581.1 r10
  circle w0.39: c2107.41,2581.1 r10
  circle w0.39: c2107.41,2449.1 r10
  circle w0.39: c2235.41,2449.1 r10
  circle w0.39: c2235.41,2581.1 r10
  circle w0.39: c2363.41,2581.1 r10
  circle w0.39: c2363.41,2449.1 r10
  lines w0: 476.15,826.61 476.15,2146.62
  lines w0.39: 476.15,826.61 ccw(c491.15,826.61) 491.15,811.61 1941.32,811.61 1941.32,816.61 cw(c1961.32,816.61) 1981.32,816.61 1981.32,797.56 cw(c1961.32,797.56) 1961.32,777.56 ; 476.15,2146.62 cw(c491.15,2146.62) 491.15,2161.62 1224.18,2161.62 1224.18,2149.8 ccw(c1232.05,2149.8) 1232.05,2141.93 1610.01,2141.93 ccw(c1610.01,2149.8) 1617.88,2149.8 1617.88,2161.62 1941.32,2161.62 1941.32,2136.14 ccw(c1961.32,2136.14) 1981.32,2136.15 1981.39,2413.39 ccw(c1973.52,2413.39) 1974.01,2421.25 ; 1961.32,777.56 ccw(c1961.32,762.56) 1946.32,762.56 1946.32,595.71 ccw(c1961.32,595.71) 1961.32,580.71 2381.32,580.71 ccw(c2381.32,595.71) 2396.32,595.71 2396.32,762.56 ccw(c2381.32,762.56) 2381.32,777.56 ; 1961.32,777.56 2381.32,777.56 ; 1974.01,2421.25 1961.37,2421.25 cw(c1961.37,2436.21) 1946.41,2436.21 1946.41,2603.1 cw(c1961.41,2603.1) 1961.41,2618.1 2381.41,2618.1 cw(c2381.41,2603.1) 2396.41,2603.1 2396.41,2436.21 cw(c2381.45,2436.21) 2381.45,2421.25 2368.77,2421.25 ; 1974.01,2421.25 2368.77,2421.25 ; 2368.77,2421.25 ccw(c2369.26,2413.39) 2361.39,2413.39 2361.32,2136.15 ccw(c2381.32,2136.14) 2381.32,2116.14 2700.92,2116.14 3114.31,2116.14 3350.53,2116.14 3763.91,2116.14 4360.36,2116.14 4641.96,2116.14 4641.96,836.61 4360.36,836.61 3763.91,836.61 3350.53,836.61 3114.31,836.61 2700.92,836.61 2381.32,836.61 ccw(c2381.32,816.61) 2361.32,816.61 2361.32,797.56 ccw(c2381.32,797.56) 2381.32,777.56

## Dimensions
4642.96,2116.14 to 1961.41,2618.1 on Rigid Flex board dimensions
1942.32,811.61 to 1964.7,2116.14 on Rigid Flex board dimensions
1942.32,811.61 to 2378.09,2116.14 on Rigid Flex board dimensions
1942.32,811.61 to 2700.92,2116.14 on Rigid Flex board dimensions
1942.32,811.61 to 3114.31,2116.14 on Rigid Flex board dimensions
1942.32,811.61 to 3350.53,2116.14 on Rigid Flex board dimensions
1942.32,811.61 to 3763.91,2116.14 on Rigid Flex board dimensions
1942.32,811.61 to 4360.36,2116.14 on Rigid Flex board dimensions
1942.32,811.61 to 4641.96,2116.14 on Rigid Flex board dimensions
491.15,810.62 to 1942.32,811.61 on Rigid Flex board dimensions
1981.39,2413.39 to 2361.39,2413.39 on Rigid Flex board dimensions
476.15,826.61 to 1948.8,593.26 on Rigid Flex board dimensions
491.15,810.62 to 2396.32,595.71 on Rigid Flex board dimensions
491.15,2161.62 to 1963.85,2418.8 on Rigid Flex board dimensions
491.15,2161.62 to 1963.8,775.11 on Rigid Flex board dimensions
2381.45,2421.25 to 2381.32,2618.11 on Rigid Flex board dimensions
2362.32,797.56 to 2362.32,816.61 on Outline
2381.45,2421.25 to 2381.32,2618.11 on Outline
491.15,2161.62 to 1963.8,775.11 on Outline
491.15,2161.62 to 1963.85,2418.8 on Outline
491.15,810.62 to 2396.32,595.71 on Outline
476.15,826.61 to 1948.8,593.26 on Outline
1981.39,2413.39 to 2361.39,2413.39 on Outline
491.15,810.62 to 1942.32,811.61 on Outline
1942.32,811.61 to 4641.96,2116.14 on Outline
1942.32,811.61 to 4360.36,2116.14 on Outline
1942.32,811.61 to 3763.91,2116.14 on Outline
1942.32,811.61 to 3350.53,2116.14 on Outline
1942.32,811.61 to 3114.31,2116.14 on Outline
1942.32,811.61 to 2700.92,2116.14 on Outline
1942.32,811.61 to 2378.09,2116.14 on Outline
1942.32,811.61 to 1964.7,2116.14 on Outline
4642.96,2116.14 to 1961.41,2618.1 on Outline
-2.06,-0.42 to 273.54,275.17 on Outline
-2.06,-0.42 to 273.54,275.17 on Outline
273.54,275.17 to 273.54,2676.74 on Outline
273.54,2676.74 to 4840.46,2676.74 on Outline
-2.06,-0.42 to -2.06,2952.34 on Outline
-2.06,2952.34 to 5116.06,2952.34 on Outline
2120.13,2696.41 to 2218.55,2696.41 on Outline

## Text inside footprints (layer, text, board x,y; h text height)
D1: Component outline "K" at 3594.66,2033.92 h18
D2: Component outline "K" at 3593.26,1989.31 h18
D3: Component outline "K" at 3528.92,2065.18 h18
D4: Component outline "K" at 3528.92,1952.68 h18
D5: Component outline "K" at 2801.1,1978.68 h15
D6: Component outline "K" at 2823.79,2008.02 h15
D7: Component outline "K" at 2865.64,1927.44 h15
LED1: Component outline "K" at 3022.84,1504.96 h15
U1: Component outline "1" at 3724.71,1944.77 h15
U2: Component outline "1" at 3492.47,1567 h15
U3: Component outline "1" at 2874.88,2039.85 h15
U4: Component outline "1" at 2885.45,1537.17 h19.68 r90
U5: Component outline "1" at 2878.27,1803.92 h15
U6: Component outline "1" at 2798.18,1737.11 h19.68 r270
U7: Component outline "1" at 3009.68,1580.3 h19.68 r90
U8: Component outline "1" at 2976.58,1507.91 h11.81 r270
U9: Component outline "1" at 3374.07,1752.21 h15
U10: Component outline "1" at 3098.96,992.36 h11.81
U11: Component outline "64" at 2730.9,1396.41 h11.81; Component outline "49" at 3063.07,1398.36 h11.81; Component outline "48" at 3091.13,1380.62 h11.81; Component outline "33" at 3091.85,1043.97 h11.81; Component outline "32" at 3070.56,1025.39 h11.81; Component outline "17" at 2735.11,1026.81 h11.81; Component outline "16" at 2716.64,1043.33 h11.81; Component outline "1" at 2739.28,1374.08 h15
U12: Component outline "1" at 3549.42,1183.01 h27.56
U13: Component outline "1" at 3566.12,993.92 h15.75
U15: Component outline "1" at 2208.75,966.56 h11.81
U17: Component outline "1" at 2201.03,1010.29 h12; Component outline "4" at 2200.7,1147.47 h11.81; Component outline "5" at 2184.54,1165.61 h11.81; Component outline "8" at 2043.98,1165.61 h11.81; Component outline "9" at 2024.81,1147.47 h11.81; Component outline "12" at 2021.64,1006 h11.81; Component outline "13" at 2048.64,989.07 h11.81; Component outline "16" at 2163.11,988.19 h11.81
U18: Component outline "1" at 2209.24,1248.61 h15
U19: Component outline "1" at 2208.75,1418.13 h15
U21: Component outline "1" at 2250.2,1217.72 h15.75 r270